# KiCad board matrix-7seg8-x02-x06.kicad_pcb (continued)
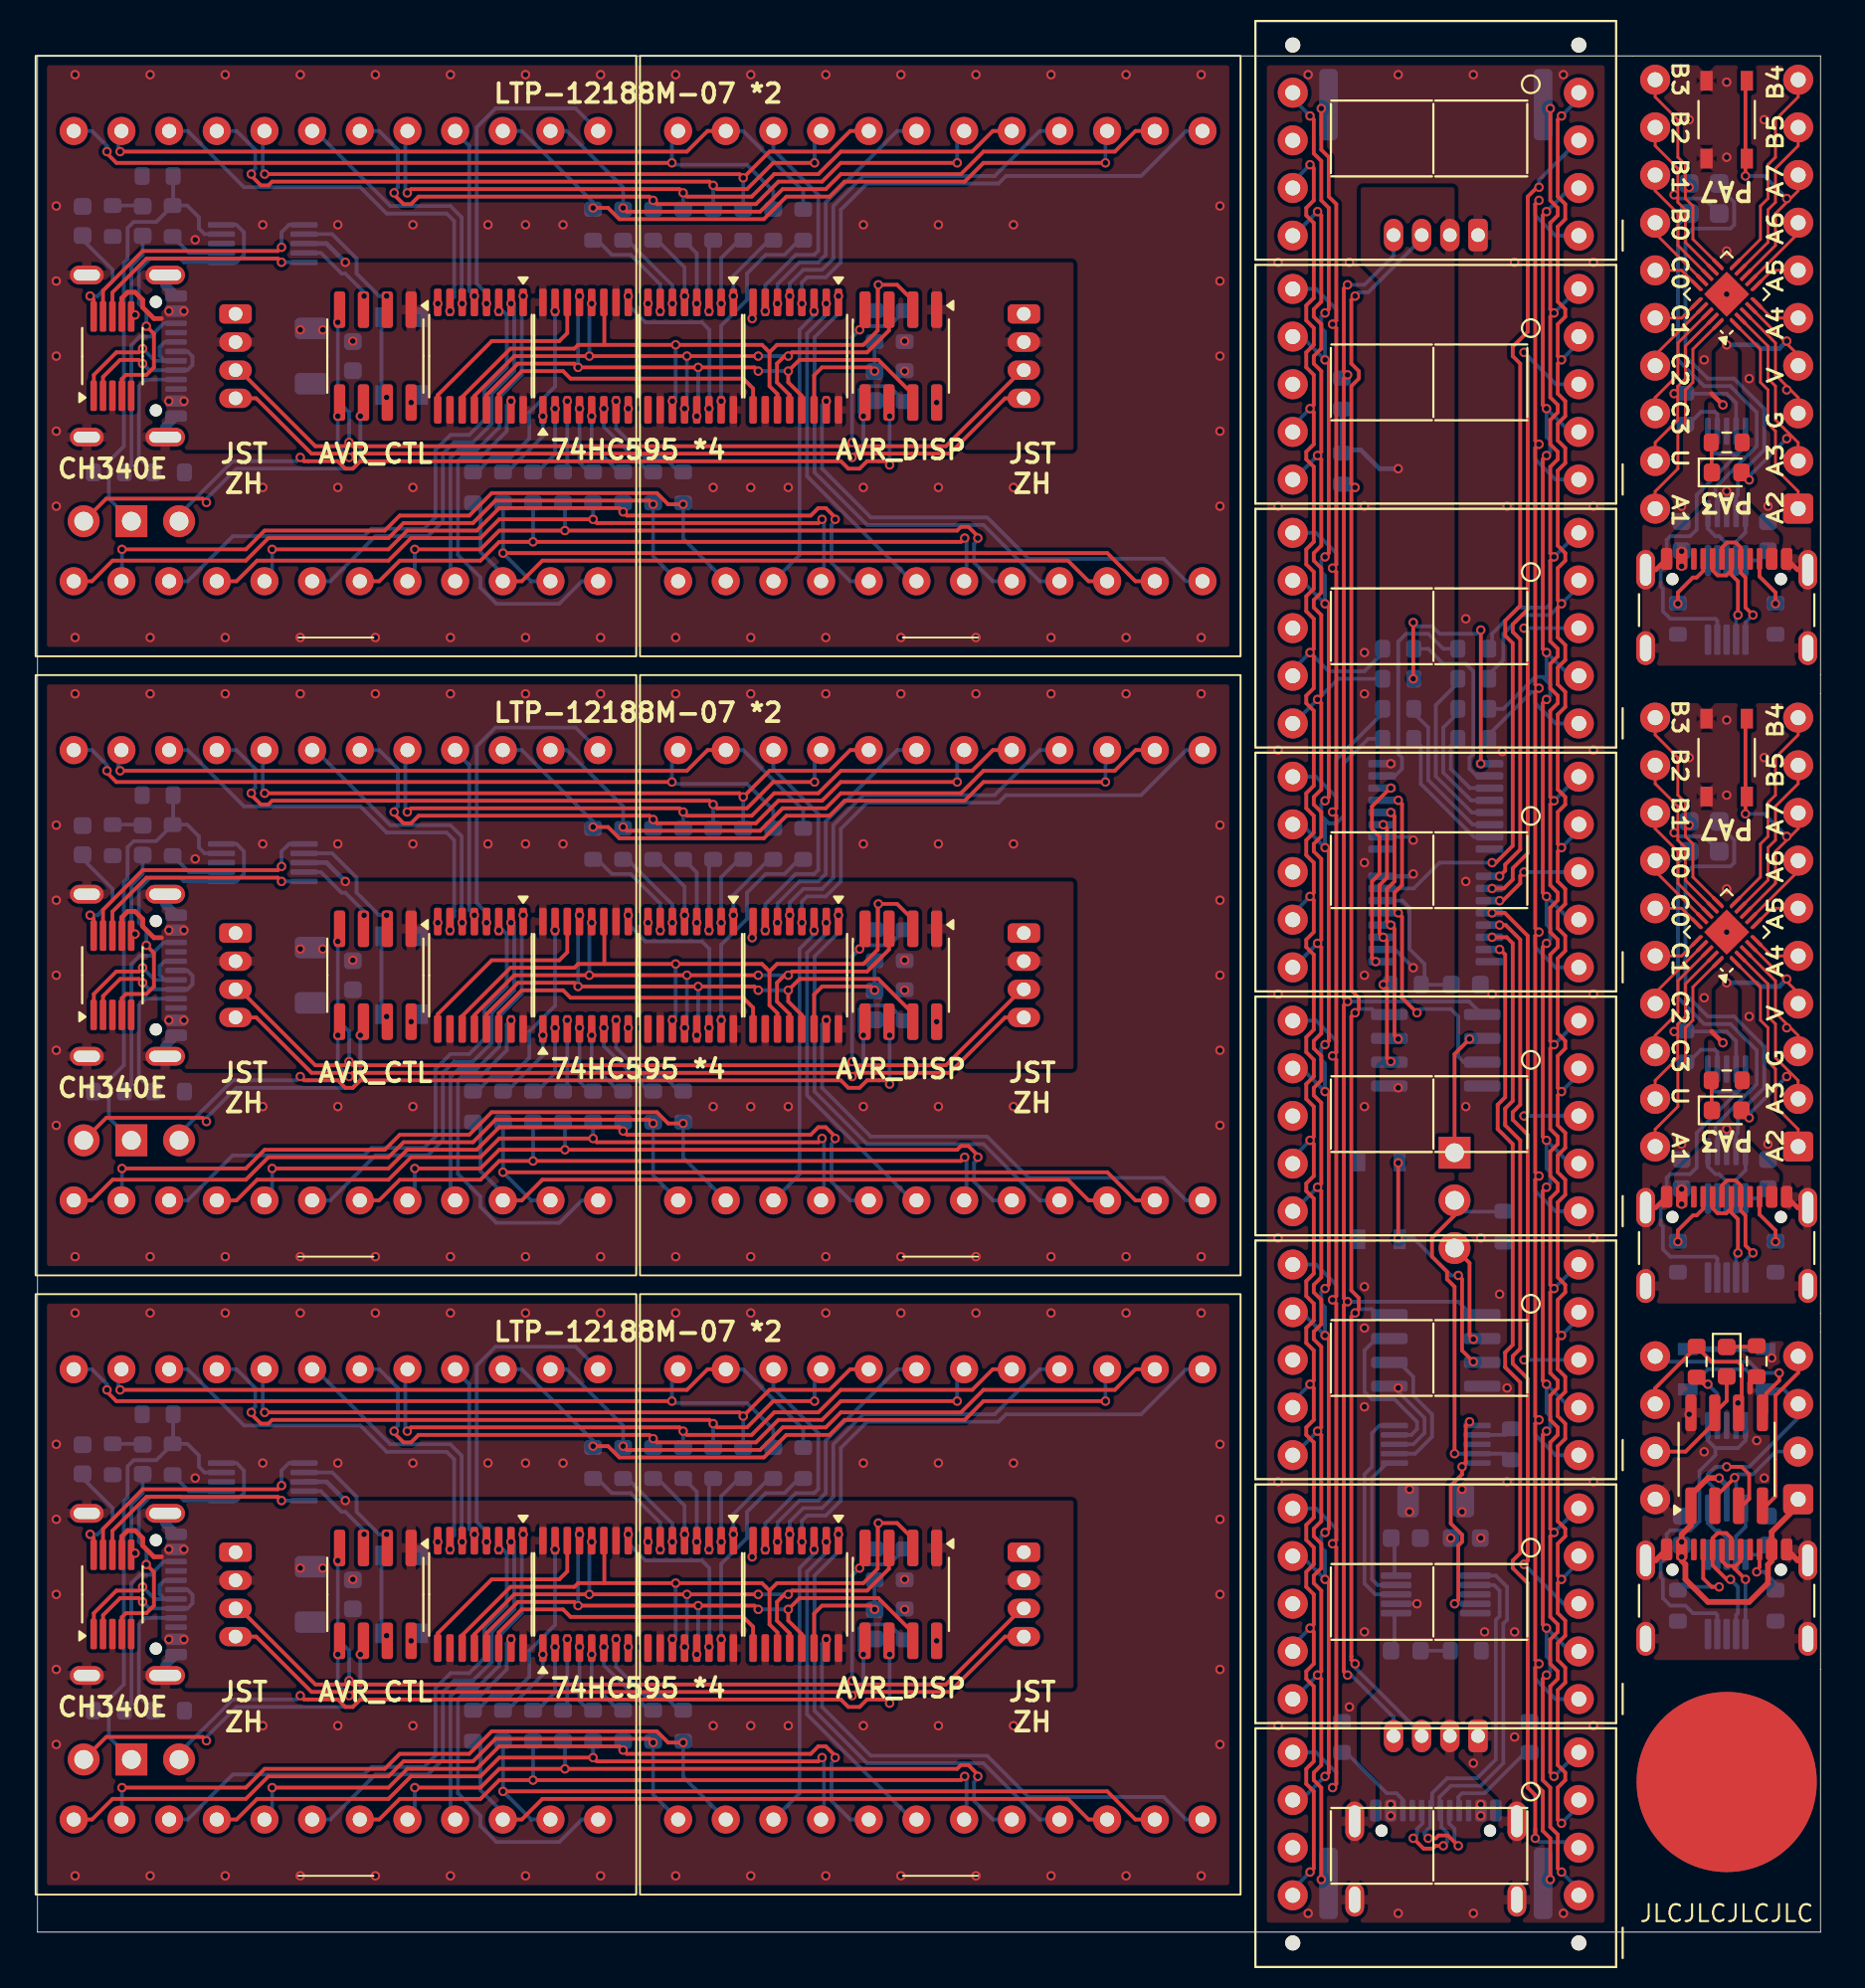
[diagram p0: board, top side]
## Nets (continued)

## Via types
v1: diameter 0.5, hole 0.3, Top to Bottom, 812 vias

## Routing (per net, layer and track width the routed paths; a pad name or vN(x,y) marks a point on that pad's centre or on a via; arc(x,y) is an arc through that point)
/V3: length 19.5
  Top w0.2: U8#2.10 2.99,87.01 v1(2.8,87.2) ; U8.10 2.99,21.01 v1(2.8,21.2) ; U8#4.10 2.99,54.01 v1(2.8,54.2)
  Bottom w0.2: v1(2.8,21.2) 3.2,21.2 4,22 4,22.6 2.4,24.2 C2#2.2 ; v1(2.8,87.2) 3.2,87.2 4,88 4,88.6 2.4,90.2 C2#4.2 ; U12.10 72.3,19.09 72.3,20.83 C3.2 ; v1(2.8,54.2) 3.2,54.2 4,55 4,55.6 2.4,57.2 2.4,57.42
GND: length 36
  Top w0.15: U1#2.3 92.6,50.7 92.6,49 93.81,47.79 J1.3 ; U1#5.3 92.6,84.7 92.6,83 93.81,81.79 J1#2.3
  Top w0.25: J2.A12 93.78,72.62 94.32,72.62 ; 85.68,72.62 86.22,72.62 J2.A1 ; J2#3.A12 93.78,38.61 J2#3.S1 ; v1(89.8,81.4) 89.2,82 ; J2#3.A1 86.22,38.61 J2#3.S1 ; v1(89.8,47.4) 89.2,48
  Top w0.3: J3.A12 93.78,19.81 J3.S1 ; J3.A1 86.22,19.81 J3.S1 ; R1.2 91.25,29.25 91.25,28.8
  Bottom w0.3: SW1#7.1 SW1#7.1
  Bottom w0.5: J3#3.S1 6.8,47.22 J3#3.A1 ; J3#5.A1 6.8,14.22 J3#5.S1 ; J3#4.S1 6.8,87.78 J3#4.A12 ; J3#3.A12 6.8,54.78 J3#3.S1 ; J3#5.A12 6.8,21.78 J3#5.S1 ; J3#4.S1 6.8,80.22 J3#4.A1
  vias: v1(1,92) v1(1,88) v1(1,84) v1(1,80) v1(1,76) v1(1,59) v1(1,55) v1(1,51) v1(1,47) v1(1,43) v1(1,26) v1(1,22) v1(1,18) v1(1,14) v1(1,10) v1(2,99) v1(2,69) v1(2,66) v1(2,36) v1(2,33) v1(2,3) v1(6,99) v1(6,69) v1(6,66) v1(6,36) v1(6,33) v1(6,3) v1(8.4,90.2) v1(8.4,57.2) v1(8.4,24.2) v1(10,99) v1(10,69) v1(10,66) v1(10,36) v1(10,33) v1(10,3) v1(12,91) v1(12,77) v1(12,58) v1(12,44) v1(12,25) v1(12,11) v1(14,99) v1(14,69) v1(14,66) v1(14,36) v1(14,33) v1(14,3) v1(16,91) v1(16,77) v1(16,58) v1(16,44) v1(16,25) v1(16,11) v1(18,99) v1(18,69) v1(18,66) v1(18,36) v1(18,33) v1(18,3) v1(19.91,81.53) v1(19.91,48.53) v1(19.91,15.53) v1(20,91) v1(20,77) v1(20,58) v1(20,44) v1(20,25) v1(20,11) v1(21.33,86.8) v1(21.33,53.8) v1(21.33,20.8) v1(22,99) v1(22,69) v1(22,66) v1(22,36) v1(22,33) v1(22,3) v1(24,91) v1(24,58) v1(24,25) v1(26,99) v1(26,91) v1(26,69) v1(26,66) v1(26,58) v1(26,36) v1(26,33) v1(26,25) v1(26,3) v1(28,91) v1(28,58) v1(28,25) v1(30,99) v1(30,69) v1(30,66) v1(30,36) v1(30,33) v1(30,3) v1(31.48,81.2) v1(31.48,48.2) v1(31.48,15.2) v1(32.52,86.8) v1(32.52,53.8) v1(32.52,20.8) v1(34,99) v1(34,69) v1(34,66) v1(34,36) v1(34,33) v1(34,3) v1(36,77) v1(36,44) v1(36,11) v1(38,99) v1(38,77) v1(38,69) v1(38,66) v1(38,44) v1(38,36) v1(38,33) v1(38,11) v1(38,3) v1(38.07,86) v1(38.07,53) v1(38.07,20) v1(40,77) v1(40,44) v1(40,11) v1(42,99) v1(42,69) v1(42,66) v1(42,36) v1(42,33) v1(42,3) v1(44,91) v1(44,77) v1(44,58) v1(44,44) v1(44,25) v1(44,11) v1(46,99) v1(46,69) v1(46,66) v1(46,36) v1(46,33) v1(46,3) v1(47.91,81.53) v1(47.91,48.53) v1(47.91,15.53) v1(48,91) v1(48,77) v1(48,58) v1(48,44) v1(48,25) v1(48,11) v1(50,99) v1(50,69) v1(50,66) v1(50,36) v1(50,33) v1(50,3) v1(52,91) v1(52,77) v1(52,58) v1(52,44) v1(52,25) v1(52,11) v1(54,99) v1(54,69) v1(54,66) v1(54,36) v1(54,33) v1(54,3) v1(58,99) v1(58,69) v1(58,66) v1(58,36) v1(58,33) v1(58,3) v1(62,99) v1(62,69) v1(62,66) v1(62,36) v1(62,33) v1(62,3) v1(63,92) v1(63,88) v1(63,84) v1(63,80) v1(63,76) v1(63,59) v1(63,55) v1(63,51) v1(63,47) v1(63,43) v1(63,26) v1(63,22) v1(63,18) v1(63,14) v1(63,10) v1(66.1,89) v1(66.1,76) v1(66.1,63) v1(66.1,50) v1(66.1,37) v1(66.1,24) v1(66.1,11) v1(67.7,99) v1(67.7,1) v1(69.9,89) v1(69.9,12) v1(70.7,76) v1(70.7,68.2) v1(70.7,66) v1(70.7,57) v1(70.7,51) v1(70.7,44) v1(70.7,34.4) v1(70.7,32.2) v1(70.7,28) v1(70.7,16) v1(72.5,99) v1(72.5,1) v1(75.9,23.6) v1(75.9,22.4) v1(76.1,70) v1(76.1,56) v1(76.1,44) v1(76.5,99) v1(76.5,9) v1(76.5,1) v1(76.9,37) v1(76.9,21) v1(77.1,16) v1(77.5,50) v1(77.9,34) v1(78.05,62.92) v1(78.3,76) v1(78.3,29) v1(78.3,24) v1(78.7,89) v1(78.7,16) v1(78.7,10.4) v1(81.3,99) v1(81.3,1) v1(82.9,89) v1(82.9,76) v1(82.9,63) v1(82.9,50) v1(82.9,37) v1(82.9,24) v1(82.9,11) v1(87.6,76) v1(87.6,42) v1(88,96.6) v1(88,62.6) v1(88,27.6) v1(88.8,83.8) v1(88.8,49.8) v1(88.8,25.6) v1(90,98.6) v1(90,94.6) v1(90,89.6) v1(90,87.3) v1(90,64.6) v1(90,60.6) v1(90,55.6) v1(90,53.3) v1(91.2,82.8) v1(91.2,48.8) v1(91.6,26.2) v1(92,96.6) v1(92,62.6) v1(92,24.2) v1(92.2,76) v1(92.2,42) v1(92.4,30.6) v1(93.2,82.2) v1(93.2,48.2)
VCC: length 76.3
  Top w0.15: U1#5.4 93.81,84.06 J1#2.4 ; U1#2.4 93.81,50.06 J1.4
  Top w0.25: U8#4.7 4.49,54.09 4.8,54.4 5.2,54.4 5.6,54 5.6,53.6 6.2,53 6.6,53 ; 6.6,86 6.2,86 5.6,86.6 5.6,87 5.2,87.4 4.8,87.4 4.49,87.09 U8#2.7 ; 6.6,20 6.2,20 5.6,20.6 5.6,21 5.2,21.4 4.8,21.4 4.49,21.09 U8.7
  Top w0.3: v1(89.6,24.2) 89,24.2 88.09,23.3 88.09,21.69 87.6,21.19 J3.A4 87.6,19.8 87.8,19.6 87.8,18.8 89,17.6 91.2,17.6 92.2,18.6 92.2,19.58 92.4,19.78 J3.A9 92.4,21.33 93.81,22.74 J2#2.1
  Bottom w0.2: v1(73.3,58.2) 73.12,58.38 U2#5.10 ; U12.7 v1(73.5,17.5) ; U14.1 72.2,29.09 73.9,27.4 73.9,26.6 73.3,26 U13.8 ; v1(73.3,51.4) 72.33,52.38 U1#7.10
  Bottom w0.25: v1(87.6,72.8) v1(87.6,73.6) ; U7#3.8 15.4,57 v1(16.4,56) ; v1(72.5,78) 71.5,78 70.5,79 69.67,79 R14.1 R15#4.1 ; v1(73.3,56.4) 73.17,56.27 U1#7.16 72.38,56.27 ; U7#2.8 15.4,24 v1(16.4,23) ; v1(93.2,84.8) 92.8,84.4 91.8,84.4 91.6,84.6 v1(90,84.6) ; U7#4.8 15.4,90 v1(16.4,89) ; U3#6.8 v1(90,76.8) ; v1(90,50.6) 91.6,50.6 91.8,50.4 92.8,50.4 v1(93.2,50.8) ; U3#7.8 v1(90,42.8) ; v1(87.6,38.8) v1(87.6,39.6)
  Bottom w0.3: U3#5.8 90,23.8 v1(89.6,24.2)
  vias: v1(7,86.4) v1(7,81.6) v1(7,53.4) v1(7,48.6) v1(7,20.4) v1(7,15.6) v1(7.8,86.4) v1(7.8,81.6) v1(7.8,53.4) v1(7.8,48.6) v1(7.8,20.4) v1(7.8,15.6) v1(14,85.4) v1(14,52.4) v1(14,19.4) v1(15.2,85.4) v1(15.2,52.4) v1(15.2,19.4) v1(16.8,84.8) v1(16.8,51.8) v1(16.8,18.8) v1(46.2,84.8) v1(46.2,83.2) v1(46.2,51.8) v1(46.2,50.2) v1(46.2,18.8) v1(46.2,17.2) v1(72.1,62.27) v1(72.1,6.8) v1(72.1,6.2) v1(72.5,45) v1(72.5,29) v1(73.1,23.6) v1(73.1,22.4) v1(75.3,21) v1(76.9,6.8) v1(76.9,6.2) v1(87.6,20.8) v1(87.6,20)
/_A: length 7.4
  Bottom w0.2: U2#5.7 76.53,58.38 73.7,61.2 73.7,63.23 R1#6.1
/_B: length 8.4
  Bottom w0.2: R2#7.1 73.33,64.97 74.1,64.2 74.1,61.4 76.47,59.02 U2#5.6
/_C: length 9.3
  Bottom w0.2: U2#5.5 76.42,59.67 74.5,61.6 74.5,65.4 75.67,66.58 R3#4.1
/_D: length 6.8
  Bottom w0.2: R4#2.1 75.67,64.97 74.9,64.2 74.9,61.8 76.38,60.33 U2#5.4
/_E: length 4.2
  Bottom w0.2: U2#5.3 76.33,60.98 75.3,62 75.3,63.23 R5#5.1
/_F: length 10.2
  Bottom w0.2: R6#6.1 74.1,68.4 74.9,67.6 76.1,67.6 76.5,67.2 76.5,62.8 76.3,62.6 76.3,62 76.67,61.62 U2#5.2
/_G: length 14.1
  Top w0.2: v1(76.9,62.27) v1(76.9,69.4) ; v1(73.3,69.8) v1(73.3,66.8)
  Bottom w0.2: v1(76.9,69.4) 76.7,69.2 74.7,69.2 74.3,69.6 73.5,69.6 v1(73.3,69.8)
/_H: length 11.8
  Bottom w0.2: R8.1 74.9,68.4 74.1,69.2 72.92,69.2 72.5,68.78 72.5,62.8 72.7,62.6 72.7,62 72.33,61.62 U2#5.15
/chain: length 10.1
  Top w0.2: v1(71.3,51.72) 71.1,51.92 71.1,56 71.5,56.4 71.5,58.4 71.1,58.8 71.1,60 72.08,60.98 v1(72.1,60.98)
/COL1: length 121.1
  Top w0.2: v1(4.4,61.9) 34.6,61.9 35.7,63 D2.23 ; v1(4.4,94.9) 34.6,94.9 35.7,96 D2#3.23 ; v1(4.4,28.9) 34.6,28.9 35.7,30 D2#2.23
  Bottom w0.2: D2.23 37.6,63 40.8,59.8 R1#2.2 ; v1(4.4,28.9) 4.3,29 4.3,29.83 D1#6.23 ; D1.23 4.3,62.83 4.3,62 v1(4.4,61.9) ; R1#5.2 40.8,92.8 37.6,96 D2#3.23 ; v1(4.4,94.9) 4.3,95 4.3,95.83 D1#4.23 ; D2#2.23 37.6,30 40.8,26.8 R1#7.2
/COL2: length 124.9
  Top w0.2: v1(33.8,94.3) 4.2,94.3 3.7,94.8 v1(3.7,94.9) ; v1(3.7,61.9) 3.7,61.8 4.2,61.3 v1(33.8,61.3) ; v1(3.7,28.9) 3.7,28.8 4.2,28.3 v1(33.8,28.3)
  Bottom w0.2: D1#4.24 2.9,96 3.7,95.2 v1(3.7,94.9) ; D1.24 2.9,63 3.7,62.2 v1(3.7,61.9) ; R2#5.2 39.2,59.8 37.8,61.2 33.9,61.2 v1(33.8,61.3) 33.8,62.67 D2.24 ; R2#3.2 39.2,92.8 37.8,94.2 33.9,94.2 v1(33.8,94.3) 33.8,95.67 D2#3.24 ; D1#6.24 2.9,30 3.7,29.2 v1(3.7,28.9) ; R2#2.2 39.2,26.8 37.8,28.2 33.9,28.2 v1(33.8,28.3) 33.8,29.67 D2#2.24
/COL3: length 112.1
  Top w0.2: v1(12.1,93.7) 37.4,93.7 v1(37.6,93.5) 39,94.9 42.2,94.9 43.3,96 D2#3.20 ; D2#2.20 43.3,30 42.2,28.9 39,28.9 v1(37.6,27.5) 37.4,27.7 v1(12.1,27.7) ; D2.20 43.3,63 42.2,61.9 39,61.9 v1(37.6,60.5) 37.4,60.7 v1(12.1,60.7)
  Bottom w0.2: v1(12.1,93.7) 12,93.8 12,95.91 D1#4.20 ; v1(37.6,60.5) R3#5.2 ; D1.20 12,62.91 12,60.8 v1(12.1,60.7) ; v1(37.6,27.5) R3#2.2 ; v1(37.6,93.5) R3.2 ; D1#6.20 12,29.91 12,27.8 v1(12.1,27.7)
/COL4: length 114.3
  Top w0.2: v1(11.39,93.7) 11.39,93.61 11.9,93.1 12.3,93.1 12.5,93.3 35.8,93.3 v1(36,93.1) 36.2,92.9 37.8,92.9 39.2,94.3 v1(41.4,94.3) ; v1(11.39,27.7) 11.39,27.61 11.9,27.1 12.3,27.1 12.5,27.3 35.8,27.3 v1(36,27.1) 36.2,26.9 37.8,26.9 39.2,28.3 v1(41.4,28.3) ; v1(11.39,60.7) 11.39,60.61 11.9,60.1 12.3,60.1 12.5,60.3 35.8,60.3 v1(36,60.1) 36.2,59.9 37.8,59.9 39.2,61.3 v1(41.4,61.3)
  Bottom w0.2: v1(11.39,93.7) 11.4,93.71 11.4,93.8 11.6,94 11.6,95 10.6,96 D1#4.21 ; D2#3.21 41.4,95.65 v1(41.4,94.3) ; D2.21 41.4,62.65 v1(41.4,61.3) ; D2#2.21 41.4,29.65 v1(41.4,28.3) ; D1.21 10.6,63 11.6,62 11.6,61 11.4,60.8 11.4,60.71 v1(11.39,60.7) ; R4.2 v1(36,60.1) ; D1#6.21 10.6,30 11.6,29 11.6,28 11.4,27.8 11.4,27.71 v1(11.39,27.7) ; R4#5.2 v1(36,27.1) ; R4#3.2 v1(36,93.1)
/COL5: length 114.5
  Top w0.2: D2#3.17 50.9,96 49.8,94.9 42.8,94.9 41.6,93.7 39.25,93.7 38.05,92.5 34.6,92.5 v1(34.4,92.7) 34.2,92.9 19.9,92.9 v1(19.7,92.7) ; v1(19.7,59.7) 19.9,59.9 34.2,59.9 v1(34.4,59.7) 34.6,59.5 38.05,59.5 39.25,60.7 41.6,60.7 42.8,61.9 49.8,61.9 50.9,63 D2.17 ; D2#2.17 50.9,30 49.8,28.9 42.8,28.9 41.6,27.7 39.25,27.7 38.05,26.5 34.6,26.5 v1(34.4,26.7) 34.2,26.9 19.9,26.9 v1(19.7,26.7)
  Bottom w0.2: R5#4.2 v1(34.4,92.7) ; D1#6.17 19.6,29.89 19.6,26.8 v1(19.7,26.7) ; R5#2.2 v1(34.4,59.7) ; D1.17 19.6,62.89 19.6,59.8 v1(19.7,59.7) ; v1(19.7,92.7) 19.6,92.8 19.6,95.89 D1#4.17 ; R5#6.2 v1(34.4,26.7)
/COL6: length 116.1
  Top w0.2: v1(49,61.3) 42.8,61.3 41.8,60.3 39.48,60.3 38.28,59.1 33,59.1 v1(32.8,59.3) 32.6,59.5 20.3,59.5 19.9,59.1 19.5,59.1 19,59.6 v1(19,59.7) ; v1(19,92.7) 19,92.6 19.5,92.1 19.9,92.1 20.3,92.5 32.6,92.5 v1(32.8,92.3) 33,92.1 38.28,92.1 39.48,93.3 41.8,93.3 42.8,94.3 v1(49,94.3) ; v1(19,26.7) 19,26.6 19.5,26.1 19.9,26.1 20.3,26.5 32.6,26.5 v1(32.8,26.3) 33,26.1 38.28,26.1 39.48,27.3 41.8,27.3 42.8,28.3 v1(49,28.3)
  Bottom w0.2: D2#3.18 49,95.63 v1(49,94.3) ; D1#4.18 18.2,96 19.2,95 19.2,93 19,92.8 v1(19,92.7) ; v1(49,61.3) 49,62.63 D2.18 ; D1#6.18 18.2,30 19.2,29 19.2,27 19,26.8 v1(19,26.7) ; D1.18 18.2,63 19.2,62 19.2,60 19,59.8 v1(19,59.7) ; v1(49,28.3) 49,29.63 D2#2.18 ; v1(32.8,26.3) R6#5.2 ; v1(32.8,59.3) R6#3.2 ; v1(32.8,92.3) R6#4.2
/COL7: length 109.2
  Top w0.2: D2#3.14 58.5,96 57.4,94.9 50.4,94.9 49.2,93.7 42.8,93.7 42,92.9 39.7,92.9 38.5,91.7 31.4,91.7 v1(31.2,91.9) ; v1(31.2,58.9) 31.4,58.7 38.5,58.7 39.7,59.9 42,59.9 42.8,60.7 49.2,60.7 50.4,61.9 57.4,61.9 58.5,63 D2.14 ; v1(31.2,25.9) 31.4,25.7 38.5,25.7 39.7,26.9 42,26.9 42.8,27.7 49.2,27.7 50.4,28.9 57.4,28.9 58.5,30 D2#2.14
  Bottom w0.2: v1(31.2,58.9) 31.2,60 28.2,63 D1.14 ; v1(31.2,25.9) 31.2,27 28.2,30 D1#6.14 ; v1(31.2,91.9) 31.2,93 28.2,96 D1#4.14
/COL8: length 111.9
  Top w0.2: v1(56.9,28.3) 50.4,28.3 49.4,27.3 43,27.3 42.2,26.5 39.9,26.5 38.7,25.3 31,25.3 30.4,25.9 v1(29.6,25.9) ; v1(56.9,61.3) 50.4,61.3 49.4,60.3 43,60.3 42.2,59.5 39.9,59.5 38.7,58.3 31,58.3 30.4,58.9 v1(29.6,58.9) ; v1(56.9,94.3) 50.4,94.3 49.4,93.3 43,93.3 42.2,92.5 39.9,92.5 38.7,91.3 31,91.3 30.4,91.9 v1(29.6,91.9)
  Bottom w0.2: v1(56.9,28.3) 56.9,29.91 D2#2.15 ; D2#3.15 56.9,95.91 v1(56.9,94.3) ; D2.15 56.9,62.91 v1(56.9,61.3) ; R8#3.2 v1(29.6,58.9) 29.6,59.2 25.8,63 D1.15 ; R8#2.2 v1(29.6,91.9) 29.6,92.2 25.8,96 D1#4.15 ; D1#6.15 25.8,30 29.6,26.2 v1(29.6,25.9) R8#4.2
/COL9: length 114.4
  Top w0.2: v1(34.4,43.1) 33.6,43.1 33,43.7 24.2,43.7 23,42.5 19.3,42.5 18.5,41.7 12.1,41.7 11.1,40.7 v1(4.5,40.7) ; v1(34.4,10.1) 33.6,10.1 33,10.7 24.2,10.7 23,9.5 19.3,9.5 18.5,8.7 12.1,8.7 11.1,7.7 v1(4.5,7.7) ; v1(4.5,73.7) 11.1,73.7 12.1,74.7 18.5,74.7 19.3,75.5 23,75.5 24.2,76.7 33,76.7 33.6,76.1 v1(34.4,76.1)
  Bottom w0.2: v1(4.5,40.7) 4.5,39.03 D1.2 ; v1(4.5,7.7) 4.5,6.03 D1#6.2 ; v1(34.4,43.1) 34.4,41.27 D2.2 ; v1(4.5,73.7) 4.5,72.03 D1#4.2 ; v1(34.4,10.1) 34.4,8.27 D2#2.2 ; v1(34.4,76.1) 34.4,74.27 D2#3.2
/COL10: length 112.2
  Top w0.2: v1(32.8,76.1) 32.6,76.3 24.4,76.3 23.2,75.1 19.5,75.1 18.7,74.3 12.3,74.3 11.1,73.1 4,73.1 2.9,72 D1#4.1 ; v1(32.8,43.1) 32.6,43.3 24.4,43.3 23.2,42.1 19.5,42.1 18.7,41.3 12.3,41.3 11.1,40.1 4,40.1 2.9,39 D1.1 ; D1#6.1 2.9,6 4,7.1 11.1,7.1 12.3,8.3 18.7,8.3 19.5,9.1 23.2,9.1 24.4,10.3 32.6,10.3 v1(32.8,10.1)
  Bottom w0.2: v1(32.8,76.1) 32.8,73.33 D2#3.1 ; D2#2.1 32.8,7.33 v1(32.8,10.1) ; D2.1 32.8,40.33 v1(32.8,43.1)
/COL11: length 116
  Top w0.2: v1(42.5,75.3) 42.5,75.4 42,75.9 41.6,75.9 41.2,75.5 31.4,75.5 v1(31.2,75.7) 31,75.9 24.6,75.9 23.4,74.7 19.7,74.7 18.7,73.7 v1(12.5,73.7) ; v1(12.5,40.7) 18.7,40.7 19.7,41.7 23.4,41.7 24.6,42.9 31,42.9 v1(31.2,42.7) 31.4,42.5 41.2,42.5 41.6,42.9 42,42.9 42.5,42.4 v1(42.5,42.3) ; v1(12.5,7.7) 18.7,7.7 19.7,8.7 23.4,8.7 24.6,9.9 31,9.9 v1(31.2,9.7) 31.4,9.5 41.2,9.5 41.6,9.9 42,9.9 42.5,9.4 v1(42.5,9.3)
  Bottom w0.2: D1.5 12.5,39.41 v1(12.5,40.7) ; D2#3.5 43.3,72 42.3,73 42.3,75 42.5,75.2 v1(42.5,75.3) ; v1(12.5,7.7) 12.5,6.41 D1#6.5 ; D2#2.5 43.3,6 42.3,7 42.3,9 42.5,9.2 v1(42.5,9.3) ; D1#4.5 12.5,72.41 v1(12.5,73.7) ; v1(31.2,9.7) R11#2.2 ; D2.5 43.3,39 42.3,40 42.3,42 42.5,42.2 v1(42.5,42.3) ; v1(31.2,75.7) R11#4.2 ; v1(31.2,42.7) R11.2
/COL12: length 114.2
  Top w0.2: v1(41.8,42.3) 41.6,42.1 29.8,42.1 v1(29.6,42.3) 24.6,42.3 23.6,41.3 19.9,41.3 18.7,40.1 11.7,40.1 10.6,39 D1.4 ; D1#6.4 10.6,6 11.7,7.1 18.7,7.1 19.9,8.3 23.6,8.3 24.6,9.3 v1(29.6,9.3) 29.8,9.1 41.6,9.1 v1(41.8,9.3) ; D1#4.4 10.6,72 11.7,73.1 18.7,73.1 19.9,74.3 23.6,74.3 24.6,75.3 v1(29.6,75.3) 29.8,75.1 41.6,75.1 v1(41.8,75.3)
  Bottom w0.2: v1(41.8,9.3) 41.9,9.2 41.9,6.15 D2#2.4 ; D2.4 41.9,39.15 41.9,42.2 v1(41.8,42.3) ; v1(29.6,9.3) R12#3.2 ; v1(29.6,42.3) R12#4.2 ; v1(41.8,75.3) 41.9,75.2 41.9,72.15 D2#3.4 ; v1(29.6,75.3) R12#2.2
/COL13: length 114
  Top w0.2: v1(20.1,40.7) 23.6,40.7 24.6,41.7 v1(28.1,41.7) 49,41.7 49.2,41.9 49.6,41.9 50.1,41.4 v1(50.1,41.3) ; v1(50.1,74.3) 50.1,74.4 49.6,74.9 49.2,74.9 49,74.7 v1(28.1,74.7) 24.6,74.7 23.6,73.7 v1(20.1,73.7) ; v1(50.1,8.3) 50.1,8.4 49.6,8.9 49.2,8.9 49,8.7 v1(28.1,8.7) 24.6,8.7 23.6,7.7 v1(20.1,7.7)
  Bottom w0.2: v1(50.1,41.3) 50.1,41.2 49.9,41 49.9,40 50.9,39 D2.8 ; v1(50.1,8.3) 50.1,8.2 49.9,8 49.9,7 50.9,6 D2#2.8 ; v1(50.1,74.3) 50.1,74.2 49.9,74 49.9,73 50.9,72 D2#3.8 ; R13#2.2 28.1,10.08 v1(28.1,8.7) ; D1#6.8 20.1,6.39 v1(20.1,7.7) ; D1.8 20.1,39.39 v1(20.1,40.7) ; R13#3.2 28.1,43.08 v1(28.1,41.7) ; R13#4.2 28.1,76.08 v1(28.1,74.7) ; v1(20.1,73.7) 20.1,72.39 D1#4.8
/COL14: length 113
  Top w0.2: v1(49.4,41.3) 49.2,41.1 24.6,41.1 23.6,40.1 19.3,40.1 18.2,39 D1.7 ; v1(49.4,74.3) 49.2,74.1 24.6,74.1 23.6,73.1 19.3,73.1 18.2,72 D1#4.7 ; v1(49.4,8.3) 49.2,8.1 24.6,8.1 23.6,7.1 19.3,7.1 18.2,6 D1#6.7
  Bottom w0.2: v1(49.4,74.3) 49.5,74.2 49.5,72.13 D2#3.7 ; D2#2.7 49.5,6.13 49.5,8.2 v1(49.4,8.3) ; v1(26.4,74.1) R14#2.2 ; D2.7 49.5,39.13 49.5,41.2 v1(49.4,41.3) ; v1(26.4,41.1) R14#4.2 ; v1(26.4,8.1) R14#3.2
/COL15: length 123.5
  Top w0.2: v1(24.8,73.5) 57,73.5 58.5,72 D2#3.11 ; D2#2.11 58.5,6 57,7.5 v1(24.8,7.5) ; v1(24.8,40.5) 57,40.5 58.5,39 D2.11
  Bottom w0.2: R15#3.2 v1(24.8,40.5) 26.3,39 D1.11 ; D1#6.11 26.3,6 v1(24.8,7.5) R15#2.2 ; R15.2 v1(24.8,73.5) 26.3,72 D1#4.11
/COL16: length 114.2
  Top w0.2: D2.10 56,39 54.9,40.1 26.9,40.1 25.8,39 D1.10 ; D2#3.10 56,72 54.9,73.1 26.9,73.1 25.8,72 D1#4.10 ; D1#6.10 25.8,6 26.9,7.1 54.9,7.1 56,6 D2#2.10
  Bottom w0.2: D1#4.10 24.79,72.37 23.6,73.56 23.6,76 23.42,76.17 R16.2 ; R16#3.2 23.42,10.17 23.6,10 23.6,7.56 24.79,6.37 D1#6.10 ; R16#4.2 23.42,43.17 23.6,43 23.6,40.56 24.79,39.37 D1.10
/OE#: length 103.9
  Top w0.2: U5.7 46.64,15.97 44.8,17.8 40.6,17.8 v1(40,17.2) 40,16.6 40.73,15.88 U4#3.13 ; v1(38.4,83.2) 38.2,83.4 v1(35.2,83.4) v1(28.8,83.4) 28.6,83.6 25.6,83.6 23.92,81.92 23.92,81.14 ; U4#2.13 40.73,81.88 40,82.6 v1(40,83.2) 40.6,83.8 44.8,83.8 46.64,81.97 U5#3.7 ; 23.92,15.14 23.92,15.92 25.6,17.6 28.6,17.6 v1(28.8,17.4) v1(35.2,17.4) 38.2,17.4 v1(38.4,17.2) ; U4#4.13 40.73,48.88 40,49.6 v1(40,50.2) 40.6,50.8 44.8,50.8 46.64,48.97 U5#2.7 ; v1(38.4,50.2) 38.2,50.4 v1(35.2,50.4) v1(28.8,50.4) 28.6,50.6 25.6,50.6 23.92,48.92 23.92,48.14
  Bottom w0.2: v1(35.12,80.8) 35.2,80.88 v1(35.2,83.4) ; v1(40,83.2) v1(38.4,83.2) ; v1(28.88,54.2) 28.8,54.12 v1(28.8,50.4) ; v1(35.2,50.4) 35.2,47.88 v1(35.12,47.8) ; v1(28.88,21.2) 28.8,21.12 v1(28.8,17.4) ; v1(28.8,83.4) 28.8,87.12 v1(28.88,87.2) ; v1(40,50.2) v1(38.4,50.2) ; v1(35.2,17.4) 35.2,14.88 v1(35.12,14.8) ; v1(40,17.2) v1(38.4,17.2)
/RCLK: length 103.8
  Top w0.2: U3#3.12 23.27,15.88 25.4,18 v1(29.4,18) v1(34.6,18) v1(38.4,18) ; 40.08,48.14 40.08,48.92 39.4,49.6 39.4,50.6 39.8,51 v1(40,51) 40.2,51.2 44.2,51.2 45.36,52.36 U5#2.3 ; 40.08,15.14 40.08,15.92 39.4,16.6 39.4,17.6 39.8,18 v1(40,18) 40.2,18.2 44.2,18.2 45.36,19.36 U5.3 ; U5#3.3 45.36,85.37 44.2,84.2 40.2,84.2 v1(40,84) 39.8,84 39.4,83.6 39.4,82.6 40.08,81.92 40.08,81.14 ; v1(38.4,51) v1(34.6,51) v1(29.4,51) 25.4,51 23.27,48.88 U3.12 ; U3#4.12 23.27,81.88 25.4,84 v1(29.4,84) v1(34.6,84) v1(38.4,84)
  Bottom w0.2: v1(29.52,20.8) 29.4,20.67 v1(29.4,18) ; v1(34.6,51) 34.6,48.33 v1(34.48,48.2) ; v1(38.4,18) v1(40,18) ; v1(34.48,81.2) 34.6,81.33 v1(34.6,84) ; v1(34.6,18) 34.6,15.33 v1(34.48,15.2) ; v1(29.52,53.8) 29.4,53.67 v1(29.4,51) ; v1(38.4,51) v1(40,51) ; v1(29.52,86.8) 29.4,86.67 v1(29.4,84) ; v1(38.4,84) v1(40,84)
/ROW1: length 66.3
  Bottom w0.2: D1.22 8,63 11,60 17.2,60 18.6,58.6 18.63,58.6 18.63,58.6 21.8,58.6 22.2,58.2 22.2,54.44 22.2,54.43 22.2,54.15 22.07,54.03 22.07,53.57 22.11,53.54 v1(21.98,53.4) ; v1(21.98,86.4) 22.11,86.54 22.07,86.57 22.07,87.03 22.2,87.15 22.2,87.43 22.2,87.44 22.2,91.2 21.8,91.6 18.63,91.6 18.63,91.6 18.6,91.6 17.2,93 11,93 8,96 D1#4.22 ; v1(21.98,20.4) 22.11,20.54 22.07,20.57 22.07,21.03 22.2,21.15 22.2,21.43 22.2,21.44 22.2,25.2 21.8,25.6 18.63,25.6 18.63,25.6 18.6,25.6 17.2,27 11,27 8,30 D1#6.22
/ROW2: length 43.5
  Bottom w0.2: D1.19 14.8,63 18.8,59 22,59 22.6,58.4 22.6,54.6 22.6,54.6 22.6,53.83 v1(22.62,53.8) ; v1(22.62,86.8) 22.6,86.83 22.6,87.6 22.6,87.6 22.6,91.4 22,92 18.8,92 14.8,96 D1#4.19 ; v1(22.62,20.8) 22.6,20.83 22.6,21.6 22.6,21.6 22.6,25.4 22,26 18.8,26 14.8,30 D1#6.19
/ROW3: length 27.7
  Bottom w0.2: D1#4.16 22.25,95.95 23,95.2 23,87.77 23,87.77 23,87.47 v1(23.27,87.2) ; D1.16 22.25,62.95 23,62.2 23,54.77 23,54.77 23,54.47 v1(23.27,54.2) ; D1#6.16 22.25,29.95 23,29.2 23,21.77 23,21.77 23,21.47 v1(23.27,21.2)
/ROW4: length 51
  Bottom w0.2: v1(23.92,20.8) 23.92,21.33 23.4,21.85 23.4,30.2 24.4,31.2 28.67,31.2 D1#6.13 ; D1.13 28.67,64.2 24.4,64.2 23.4,63.2 23.4,54.85 23.92,54.33 v1(23.92,53.8) ; v1(23.92,86.8) 23.92,87.33 23.4,87.85 23.4,96.2 24.4,97.2 28.67,97.2 D1#4.13
/ROW5: length 87.2
  Bottom w0.2: v1(24.58,20.4) 24.79,20.4 25,20.19 25,17.4 23.8,16.2 23.8,14.6 23,13.8 22,13.8 21.2,13 21.2,9.4 20.6,8.8 17.8,8.8 17.4,8.4 10.4,8.4 8,6 D1#6.3 ; D1.3 8,39 10.4,41.4 17.4,41.4 17.8,41.8 20.6,41.8 21.2,42.4 21.2,46 22,46.8 23,46.8 23.8,47.6 23.8,49.2 25,50.4 25,53.19 24.79,53.4 v1(24.58,53.4) ; D1#4.3 8,72 10.4,74.4 17.4,74.4 17.8,74.8 20.6,74.8 21.2,75.4 21.2,79 22,79.8 23,79.8 23.8,80.6 23.8,82.2 25,83.4 25,86.19 24.79,86.4 v1(24.58,86.4)
/ROW6: length 66.4
  Bottom w0.2: D1.6 15.6,39 18,41.4 20.8,41.4 21.6,42.2 21.6,45.8 22.2,46.4 23.2,46.4 24.2,47.4 24.2,49 25.4,50.2 25.4,53.62 v1(25.23,53.8) ; D1#4.6 15.6,72 18,74.4 20.8,74.4 21.6,75.2 21.6,78.8 22.2,79.4 23.2,79.4 24.2,80.4 24.2,82 25.4,83.2 25.4,86.62 v1(25.23,86.8) ; D1#6.6 15.6,6 18,8.4 20.8,8.4 21.6,9.2 21.6,12.8 22.2,13.4 23.2,13.4 24.2,14.4 24.2,16 25.4,17.2 25.4,20.62 v1(25.23,20.8)
/ROW7: length 52.5
  Bottom w0.2: D1.9 22,39.25 22,45.6 22.03,45.6 22.43,46 23.4,46 24.6,47.2 24.6,48.8 25.8,50 25.8,54.12 v1(25.88,54.2) ; v1(25.88,21.2) 25.8,21.12 25.8,17 24.6,15.8 24.6,14.2 23.4,13 22.43,13 22.03,12.6 22,12.6 22,6.25 D1#6.9 ; D1#4.9 22,72.25 22,78.6 22.03,78.6 22.43,79 23.4,79 24.6,80.2 24.6,81.8 25.8,83 25.8,87.12 v1(25.88,87.2)
/ROW8: length 58
  Bottom w0.2: v1(25.23,15.6) 25,15.38 25,14 23.6,12.6 22.6,12.6 22.4,12.4 22.4,7.4 23.6,6.2 23.6,5.65 24.45,4.8 27.8,4.8 29,6 D1#6.12 ; D1.12 29,39 27.8,37.8 24.45,37.8 23.6,38.65 23.6,39.2 22.4,40.4 22.4,45.4 22.6,45.6 23.6,45.6 25,47 25,48.38 v1(25.23,48.6) ; v1(25.23,81.6) 25,81.38 25,80 23.6,78.6 22.6,78.6 22.4,78.4 22.4,73.4 23.6,72.2 23.6,71.65 24.45,70.8 27.8,70.8 29,72 D1#4.12
/ROW9: length 37
  Bottom w0.2: D2#2.22 39.21,28.99 41.6,26.6 41.6,23.61 41.39,23.4 41.31,23.4 41.31,23.4 40.4,23.4 38.77,21.78 v1(38.77,20.4) ; D2#3.22 39.21,94.99 41.6,92.6 41.6,89.61 41.39,89.4 41.31,89.4 41.31,89.4 40.4,89.4 38.77,87.78 v1(38.77,86.4) ; D2.22 39.21,61.99 41.6,59.6 41.6,56.61 41.39,56.4 41.31,56.4 41.31,56.4 40.4,56.4 38.77,54.78 v1(38.77,53.4)
